# Altium PCB Hex-6487-3252.PcbDoc (continued)
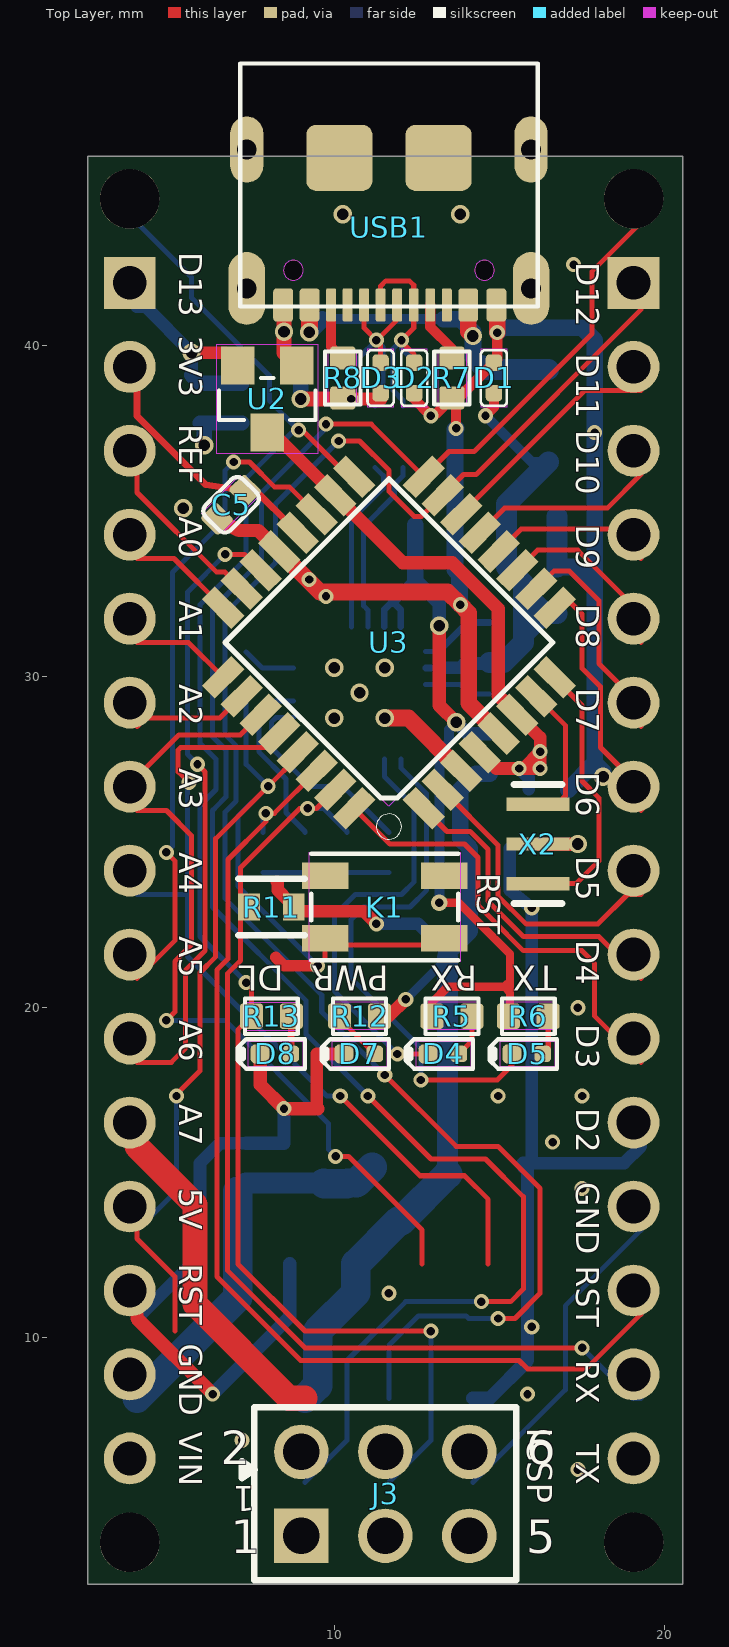
[diagram p0: Top Layer view]
## Footprints (in the part's own frame and the unit in brackets; to place one, negate y for a bottom-side part, rotate by r counter-clockwise, add the part's x,y. Pads: shape width x height; smd on the part's side, far side on the other; paste and mask are expansions set on the pad) (continued)
TP-D45MIL [mil] "TP-D45MIL"
  rrect100% 45x45 smd paste-22.5: T(0,0)
TQFP32-0.8-7X7MM [mil] "TQFP32-0.8-7X7MM"
  rect 50x22 smd: 1(-169,110.24) 2(-169,78.74) 3(-169,47.24) 4(-169,15.75) 5(-169,-15.75) 6(-169,-47.24) 7(-169,-78.74) 8(-169,-110.24) 17(169,-110.24) 18(169,-78.74) 19(169,-47.24) 20(169,-15.75) 21(169,15.75) 22(169,47.24) 23(169,78.74) 24(169,110.24)
  rect 22x50 smd: 9(-110.24,-169) 10(-78.74,-169) 11(-47.24,-169) 12(-15.75,-169) 13(15.75,-169) 14(47.24,-169) 15(78.74,-169) 16(110.24,-169) 25(110.24,169) 26(78.74,169) 27(47.24,169) 28(15.75,169) 29(-15.75,169) 30(-47.24,169) 31(-78.74,169) 32(-110.24,169)
  Top Layer keep-out region: -137.99,-137.99 -137.99,137.99 137.99,137.99 137.99,-137.99
  silkscreen extent -170,-138 138,170
USB2.0-TYPE-C [mm] "USB2.0-TYPE-C"
  rrect30% 1x0.6 smd: A1_B12(-0.05,3.25) A4_B9(-0.05,2.4) B1_A12(-0.05,-3.2) B4_A9(-0.05,-2.4)
  rrect30% 1x0.3 smd: A5(-0.05,1.25) A6(-0.05,0.25) A7(-0.05,-0.25) A8(-0.05,-1.25) B5(-0.05,-1.75) B6(-0.05,-0.75) B7(-0.05,0.75) B8(-0.05,1.75)
  oval 2x1 / inner round 1.524 / far side oval 2x1 hole 0.6: S1(-4.75,4.3) S2(-4.75,-4.3)
  oval 2.2x1.1 / inner round 1.524 / far side oval 2.2x1.1 hole 0.6: S3(-0.55,4.3) S4(-0.55,-4.3)
  rrect30% 2x2 smd: S5(-4.5,1.5) S6(-4.5,-1.5)
  silkscreen extent -7.35,-4.5 0,4.5

## Part data
C1 C2: library part CAP-0603, "Ceramic Capacitors", DeviceName=-0603, DeviceSetName=CAP, GateName_1=C, LibraryName=Discrete-new, SymbolName_1=C
C3 C4 C5 C6 C7 C8 C9 C10 C11 C12 C13: library part C*-0603, "Ceramic Capacitors", DeviceName=-0603, DeviceSetName=C*, GateName_1=C, LibraryName=Discrete-small, SymbolName_1=C
D1 D2 D3: library part D-ESD-2P-DOUBLE-0402, DeviceName=-0402, DeviceSetName=D-ESD-2P-DOUBLE, GateName_1=G$1, LibraryName=Discrete-new, SymbolName_1=D-ESD-2P-DOUBLE
D4 D5 D7 D8: library part LED-0402, DeviceName=-0402, DeviceSetName=LED, GateName_1=LED, LibraryName=Discrete-new, SymbolName_1=LED
D6: library part D*'MBR0520LT1', DeviceName='MBR0520LT1', DeviceSetName=D*, GateName_1=D, LibraryName=Discrete-smallsmall, SymbolName_1=DIODE
F1: library part FUSE'1206', DeviceName='1206', DeviceSetName=FUSE, GateName_1=F, LibraryName=Discrete-new, SymbolName_1=FUSE
J1 J2: library part CMP-02766-000090-1, "CONN HEADER VERT 15POS 2.54MM", Manufacturer=SAMTEC, Temperature="-55°C to +125°C", Temperature Range High=+125°C, Temperature Range Low=-55°C, Automotive=No, Category=Conn, ComponentLink2Description=Datasheet, ComponentLink2URL=http://suddendocs.samtec.com/catalog_english/tsw_th.pdf, Conn Gender=Male, Conn Orientation=Vertical, Contact Material=Gold,Nickel, Device Class L1=Connectors, Device Class L2="Headers and Wire Housings", Device Class L3=unset, Digikey Description="CONN HEADER VERT 15POS 2.54MM", Footprint Url=http://suddendocs.samtec.com/prints/tsw-xxx-xx-x-x-xx-xxx-footprint.pdf, Height=8.71mm, Lead Free=Yes, Manufacturer Part Number=TSW-115-07-G-S, Number Of Contacts=15, Number Of Rows=1, Octopart=https://octopart.com/tsw-115-07-g-s-samtec-272210, Package=TSW-115-07-G-S, Pitch=2.54mm, RoHS=TRUE
J3: library part CMP-1502-01072-1, "THT Vertical Pin Header WR-PHD, Pitch 2.54 mm, Dual Row, 6 pins", Contact Resistance=20mOhm, Manufacturer="Wurth Elektronik", Operating Temperature=-40to105degC, Package Reference=61300621121, Rated Current=3A, Withstanding Voltage=500VAC, Working Voltage=250VAC, Datasheet URL=https://katalog.we-online.de/em/datasheet/6130xx21121.pdf, Gender=Male, Manufacturer URL=http://www.we-online.de, Mounting Technology=THT, Orientation=Vertical, Packaging=Bag, Part Number=61300621121, Pin Number=6, Pitch=2.54mm, Publisher=WurthElektronik, Row Number=Dual
K1: library part BUTTON-4P-4.5X3.2, DeviceName=-4.5X3.2, DeviceSetName=BUTTON-4P, GateName_1=G$1, LibraryName=Switch, SymbolName_1=BOTTON-4P
L1: library part INDUCTOR-COMMON-MODE-SRF2012-900YA, DeviceName=-SRF2012-900YA, DeviceSetName=INDUCTOR-COMMON-MODE, GateName_1=G$1, LibraryName=Discrete-new, SymbolName_1=INDUCTOR-COMMON-MODE
R1 R2 R3 R4 R5 R6 R7 R8 R12 R13: library part R*-0603, DeviceName=-0603, DeviceSetName=R*, GateName_1=R, LibraryName=Discrete-small, SymbolName_1=R
R9 R10: library part CMP-2000-01850-2, "RES 1K OHM 5% 1/8W 0603", Case Code (Imperial)=0603, Case Code (Metric)=1608, Max Operating Temperature=155°C, Min Operating Temperature=-55°C, Package Quantity=5000, Power Rating=100mW, Resistance=1kR, Resistance Tolerance=5%, Resistor Type="Thick Film", Temperature Coefficient=200ppm/°C, Voltage Rating=50V, Case/Package=0603, Construction=Rectangular, Depth=0.8mm, Height=0.45mm, Lead Free="Lead Free", Length=1.6mm, Military Standard=Not, Mount="Surface Mount", Number of Pins=2, Packaging="Tape and Reel", RoHS Compliant=Yes, Series=RK73B, Technology="THICK FILM", Termination=SMD/SMT, Tolerance=5%, Voltage Rating (DC)=50V, Width=0.8mm
R11: library part CMP-2000-04608-2, "RES SMD 10K OHM 0.5% 1/10W 0603", Manufacturer=Yageo, Package=RT0603, Power Rating=0.1W, Resistance=10KΩ, Temperature="-55°C to +155°C", Temperature Coefficient="50 ppm/°C", Temperature Range High=+155°C, Temperature Range Low=-55°C, Tolerance=0.005, Voltage Rating=75V, Automotive=No, Category=Res, ComponentLink2Description=Datasheet, ComponentLink2URL=http://www.yageo.com/documents/recent/PYu-RT_1-to-0.01_RoHS_L_9.pdf, Composition="Thin Film", Device Class L1="Passive Components", Device Class L2=Resistors, Device Class L3="Chip SMD Resistors", Digikey Description="RES SMD 10K OHM 0.5% 1/10W 0603", Footprint Url=http://www.yageo.com/exep/pages/download/literatures/PYu-R_Mount_10.pdf, Height=0.55mm, Ipc Land Pattern Name=RESC16080X45, Lead Free=Yes, Manufacturer Part Number=RT0603DRE0710KL, Mouser Description="Thin Film Resistors - SMD 10K ohm 0.5% 1/10W", Octopart=https://octopart.com/rt0603dre0710kl-yageo-1185844, RoHS=TRUE, Series=RT
TP1 TP2 TP3 TP4: library part TEST-POINT'4545', PARTNO=DNP, DeviceName='4545', DeviceSetName=TEST-POINT, GateName_1=TP, LibraryName=Discrete-new, SymbolName_1=TEST-POINT
U1: library part PMIC-CJ*1117S, "Low Drop Fixed And Adjustable Positive Voltage Regulators http://www.datasheetcatalog.org/datasheet/SGSThomsonMicroelectronics/mXuqtqv.pdf", DeviceName=S, DeviceSetName=PMIC-CJ*1117, GateName_1=G$1, LibraryName=IC-new, SymbolName_1=PMIC-CJ*1117
U2: library part PMIC-XC6206PMR, "LOW ESR Cap.Compatible Positive Voltage Regulators", DeviceName=MR, DeviceSetName=PMIC-XC6206P, GateName_1=G$1, LibraryName=IC-new, SymbolName_1=PMIC-XC6206P
U3: library part MCU-ATMEGA8/168/328'AU', DeviceName='AU', DeviceSetName=MCU-ATMEGA8/168/328, GateName_1=G$1, LibraryName=IC-new, SymbolName_1=MCU-ATMEGA8/168/328
U4: library part CONVERTER-CP2102N(QFN24), DeviceSetName=CONVERTER-CP2102N(QFN24), GateName_1=G$1, LibraryName=IC-new, SymbolName_1=CONVERTER-CP2102N(QFN24)
USB1: library part USB2.0-TYPE-C, DeviceSetName=USB2.0-TYPE-C, GateName_1=USB, LibraryName=Connector-new, SymbolName_1=USB2.0-TYPE-C
X2: library part CMP-06054-000001-1, "CERAMIC RES 16.0000MHZ 15PF SMD", Frequency=16MHz, Load Capacitance=15pF, Manufacturer=Murata, Package=0, Temperature="-40°C to +85°C", Temperature Range High=+85°C, Temperature Range Low=-40°C, Tolerance=0.5%, Automotive=No, Category=Crys, ComponentLink2Description=Datasheet, ComponentLink2URL=https://www.murata.com/en-sg/products/productdata/8801162231838/SPEC-CSTNE16M0V530000R0.pdf?1545967809000, Device Class L1="Passive Components", Device Class L2="Crystals / Oscillators", Device Class L3=Crystals, Digikey Description="CERAMIC RES 16.0000MHZ 15PF SMD", Esr=40Ω, Height=1mm, Lead Free=Yes, Manufacturer Part Number=CSTNE16M0V530000R0, Mouser Description="Ceramic Resonator 16MHz ±0.5% (Tol) ±0.3% (Stability) 15pF 40Ohm 3-Pin CSMD T/R", Octopart=https://octopart.com/cstne16m0v530000r0-murata-91406924, RoHS=TRUE, Series=CSTNE_V, Stability=0.3%

## Free pads (board coordinates)
  round 1.8 hole 1.8 unplated: 1(3.81,44.45) 2(3.81,3.81) 3(19.05,44.45) 4(19.05,3.81)
  round 0.6 hole 0.6 unplated: MH1(8.76,42.29) MH2(14.54,42.29)

## Via types
v1: diameter 0.457/0.457/0.457/0.457 (per signal layer), hole 0.254, Top Layer to Bottom Layer, tented both sides, 55 vias
v2: diameter 0.553/0.553/0.553/0.553 (per signal layer), hole 0.35, Top Layer to Bottom Layer, tented both sides, 18 vias
v3: diameter 0.508/0.457/0.457/0.508 (per signal layer), hole 0.254, Top Layer to Bottom Layer, tented both sides, 1 vias

## Nets (pads, with @x,y where several pads share a name; then routed paths per layer and width w, separated by ;. In a path a pad name is that pad's centre, name@x,y a point inside that pad or via, vN(x,y) a via of type N, cw(c..) or ccw(c..) an arc to the next point about the centre after c; other vN are vias at no path point)
GND: C1.2 C2.2 C3.2 C4.2 C5.1 C5.2 C7.2 C8.2 C9.2 C10.2 C11.2 C12.2 C13.2 D1.1 D2.1 D3.1 D7.- D8.- J1.12 J2.3 J2.14 J3.6 K1.1 K1.2 R7.1 R8.2 TP2.T U1.1 U2.1 U3.3 U3.5 U3.20 U3.21 USB1.A1_B12 USB1.B1_A12 USB1.S3 USB1.S4 X2.2 | length 101.6
  Top Layer w0.305: D2.1 12.412,38.396 v1@12.887,37.921 ; v1(12.92,37.888) v1@12.887,37.921 ; v1(13.682,37.507) 13.682,38.302 R7.1 ; v1(14.927,40.403) 14.927,39.596 13.76,38.429 R7.1 ; v1@12.887,37.921 13.047,37.921 R7.1
  Top Layer w0.381: 9.491,16.933 9.468,16.956 9.468,18.584 D7.-
  Top Layer w0.406: 4.03,10.71 4.03,10.583 v1(6.316,8.297) ; C5.2 7.115,34.418 7.697,34.418 U3.21 ; D8.- 7.753,17.655 v1(8.475,16.933) 9.491,16.933 ; v1(10.507,38.396) 11.396,38.396 D3.1 ; X2.2 v2(17.365,24.934)
  Top Layer w0.457: USB1.B1_A12 8.475,41.215 v2(8.475,40.428) 8.475,39.793 U2.1 ; v2(8.983,38.396) 10.22,38.396 R8.2
  Top Layer w0.508: U3.21 9.56,32.554 13.428,32.554 v1(13.809,32.173) 14.063,31.919 14.063,29.202 14.365,28.9 14.365,28.881 U3.5 ; v2(11.523,28.744) 12.239,28.744 U3.3 ; USB1.A1_B12 14.927,41.213 v1(14.927,40.403)
  Bottom Layer w0.381: 4.03,10.71 4.157,10.71 5.935,12.488 5.935,15.282 6.537,15.884 C10.2 ; C11.2 C13.2 v1(15.968,23.003) 15.968,15.409 U1.1@15.841,15.282 ; 19.27,15.79 18.762,15.282 U1.1@15.841,15.282 ; U1.1@15.841,15.282 15.777,15.219 15.714,15.155 U1.1 U1.1@15.841,15.282
  Bottom Layer w0.406: v1(6.316,8.297) 8.65,10.631 8.65,12.234 ; C10.2 8.475,15.884 v1(8.475,16.933) ; 14.19,8.17 14.698,8.17 15.841,9.313 15.841,15.155 15.777,15.219 U1.1
  Bottom Layer w0.457: v2(6.062,36.999) 6.062,37.54 C4.2 C7.2 ; v2(8.983,38.396) TP2.T
  Bottom Layer w0.508: v1(13.682,37.507) 13.649,37.474 13.649,33.228 13.784,33.093 13.784,32.198 v1(13.809,32.173) ; v1(14.927,40.403) 15.072,40.548 17.499,40.548 17.873,40.174 v1(17.873,37.38) 17.873,32.681 ; C2.2 17.238,33.316 17.873,32.681 ; C9.2 17.873,27.38 ; v2(18.127,26.966) 18.127,27.126 17.873,27.38 ; 17.873,27.38 17.873,32.681
  Bottom Layer w0.635: C2.2 C1.2
  other v1: 17.365,6.011 7.205,6.9 15.841,8.297 15.968,10.329 11.65,11.345 17.492,14.52 16.603,15.917 14.952,17.314 17.492,17.314 17.365,19.981 9.745,32.427 9.237,32.935 17.238,42.46
  other v2: 9.999,28.744 10.761,29.506 9.999,30.268 11.523,30.268 5.427,35.094 10.253,43.984 13.809,43.984
Net5: C3.1 R1.1 R5.2 R6.2 U4.5 U4.6 | length 24.8
  Top Layer w0.152: R6.2 R6.2@15.31,19.773 ; 15.31,20.362 15.31,20.384 15.079,20.616 15.206,20.743 15.31,20.743
  Top Layer w0.254: R5.2 12.953,20.141 13.428,20.616 15.079,20.616 15.31,20.616 ; v3(13.174,23.156) 13.764,23.156 15.31,21.609 15.31,20.743 15.31,20.616 ; R6.2@15.31,19.773 15.31,20.362 ; 15.31,20.384 15.31,20.616
  Top Layer w0.406: v2(13.174,31.538) 13.174,29.125 v2(13.682,28.617)
  Bottom Layer w0.203: U4.5 11.511,32.034 11.768,32.291 11.777,32.3 ; 11.768,32.258 12.011,32.014 U4.6
  Bottom Layer w0.305: 11.768,32.291 11.768,32.258 12.208,32.698 ; 12.445,32.935 12.208,32.698 ; 12.683,32.698 12.208,32.698 ; v3(13.174,23.156) 13.174,27.723 13.466,28.015 13.466,28.401 v2(13.682,28.617)
  Bottom Layer w0.406: 12.445,32.935 12.683,32.698 13.174,32.206 v2(13.174,31.538) ; v2(13.682,28.617) 14.03,28.269 R1.1
  Bottom Layer w0.508: 12.445,32.935 C3.1
NetC1_1: C1.1 C2.1 D1.2 D6.1 F1.2 R2.1 U4.8 | length 14.9
  Top Layer w0.305: v1(14.571,37.888) 14.825,38.142 D1.2
  Bottom Layer w0.203: U4.8 13.416,30.256 13.428,30.268
  Bottom Layer w0.305: v1(14.571,37.888) 15.968,36.491 F1.2
  Bottom Layer w0.381: 13.428,30.268 13.809,30.268 13.936,30.395 14.665,30.395 R2.1
  Bottom Layer w0.635: R2.1 15.112,30.428 15.714,31.03 15.714,31.284 ; F1.2 15.206,35.221 C1.1 C2.1 15.714,32.808 15.714,32.554 ; D6.1 D6.1@16.365,31.903 ; 15.714,31.284 15.714,32.554 ; 15.714,31.284 16.333,31.903 D6.1@16.365,31.903 ; 15.714,32.554 D6.1@16.365,31.903
NetC4_1: C4.1 C7.1 J2.1 U2.2 | length 6.1
  Top Layer w0.381: v2(5.681,39.793) 6.697,39.793 U2.2
  Bottom Layer w0.381: J2.1@4.03,41.19 4.284,41.19 v2(5.681,39.793) C4.1@5.681,39.125
  Bottom Layer w0.457: C4.1@5.681,39.125 C4.1 C7.1
NetC6_1: C6.1 J1.13 J2.13 J3.5 K1.3 K1.4 R11.2 U3.29 | length 45.7
  Top Layer w0.152: 4.03,13.25 4.03,12.996 5.173,11.853 5.173,10.202 ; v1(5.224,17.314) 5.224,17.365 5.935,18.076 5.935,21.047 6.408,21.52 6.408,25.096 v1(7.996,26.683) 8.897,27.585 U3.29 ; v1(9.491,21.251) 9.723,21.483 K1.3 9.926,21.886 13.12,21.886 K1.4
  Top Layer w0.35: 8.221,21.505 8.475,21.251 v1(9.491,21.251)
  Bottom Layer w0.152: 4.03,13.25 5.224,14.444 v1(5.224,17.314) ; C6.1 7.332,27.347 v1(7.996,26.683) 7.078,25.765 7.078,23.664 v1(9.491,21.251) ; 14.19,5.63 16.984,8.424 16.984,10.964 19.27,13.25
NetC6_2: C6.2 U4.23 | length 1.6
  Bottom Layer w0.152: C6.2 7.819,30.256 U4.23
NetC8_1: C8.1 C9.1 C11.1 C13.1 D6.2 J2.12 J3.2 R11.1 R12.1 U2.3 U3.4 U3.6 U3.18 | length 58.8
  Top Layer w0.381: U2.3 8.129,37.38 U3.18 ; 8.259,23.796 8.287,23.768 8.287,23.54 8.632,23.196 8.632,23.093 8.823,22.902 10.888,22.902 v1(11.269,22.521) ; R12.1 11.65,19.727 v1(12.158,20.235) ; U3.4 14.894,27.22 v1(15.587,27.22) v1@15.714,27.22 ; U3.6 16.222,28.155 v1(16.222,27.728) ; v1@15.714,27.22 v1(16.222,27.728) ; v1@15.714,27.22 v1(16.222,27.22) v1(16.222,27.728)
  Top Layer w0.406: U3.18 12.068,33.44 13.563,33.44 14.952,32.051 14.952,29.425 U3.6
  Top Layer w0.762: 4.03,15.79 5.783,14.037 5.783,11.016 8.629,8.17 9.11,8.17
  Bottom Layer w0.152: 13.428,14.946 13.428,15.282
  Bottom Layer w0.254: v1(12.158,20.235) 13.428,21.505 13.428,21.632
  Bottom Layer w0.381: v1(11.269,22.521) 12.539,22.521 13.428,21.632 ; v1(15.587,27.22) 15.874,26.933 C9.1
  Bottom Layer w0.508: 13.428,21.632 14.096,22.3 C13.1 C11.1 13.809,25.094 13.809,26.585 14.284,27.06 C8.1
  Bottom Layer w0.635: 13.428,15.282 13.428,21.505
  Bottom Layer w0.889: 9.11,8.17 9.491,8.551 9.491,10.202 10.65,11.361 10.65,12.234 11.958,13.542 12.024,13.542 13.428,14.946
NetC10_1: C10.1 C12.1 J2.15 U1.3 | length 12.8
  Bottom Layer w0.635: C10.1@7.078,14.426 C10.1 C12.1 9.676,14.68 10.401,14.68 U1.3@10.667,14.68 ; U1.3@11.142,15.155 U1.3
  Bottom Layer w0.889: 4.03,8.17 7.078,11.218 C10.1@7.078,14.426 ; 9.676,14.68 9.696,14.66 10.38,14.66 10.401,14.68 ; U1.3@10.667,14.68 U1.3@11.142,15.155
NetD2_2: D2.2 L1.2 TP3.T USB1.A7 USB1.B7 | length 7.5
  Top Layer w0.152: USB1.A7 11.394,41.246 11.394,41.808 11.555,41.969 12.268,41.969 12.4,41.837 USB1.B7 12.4,40.543 v1(12.031,40.174) 12.031,40.129 12.412,39.748 D2.2
  Bottom Layer w0.152: L1.2 12.075,38.352 11.777,38.65 11.777,39.92 v1(12.031,40.174) 12.031,39.92 TP3.T
NetD3_2: D3.2 L1.3 TP4.T USB1.A6 USB1.B6 | length 6.4
  Top Layer w0.152: USB1.B6 10.9,40.543 v1(11.269,40.174) ; D3.2 11.396,40.047 v1(11.269,40.174) ; USB1.A6 11.9,40.793 11.281,40.174 v1(11.269,40.174)
  Bottom Layer w0.152: TP4.T 10.761,39.666 v1(11.269,40.174) 11.472,39.971 11.472,38.65 11.225,38.403 L1.3
NetD4_+: D4.+ R5.1 | length 1.3
  Top Layer w0.152: D4.+ 14.157,18.977 R5.1
NetD4_-: D4.- U4.14 | length 12.8
  Top Layer w0.152: v1(11.904,18.584) D4.-
  Bottom Layer w0.152: U4.14 11.511,26.978 12.412,26.077 12.412,23.791 12.031,23.41 10.634,23.41 9.999,22.775 9.999,20.489 v1(11.904,18.584)
NetD5_+: D5.+ R6.1 | length 1.2
  Top Layer w0.152: D5.+ 16.468,18.749 R6.1
NetD5_-: D5.- U4.13 | length 16
  Top Layer w0.152: v1(12.615,17.797) 14.927,17.797 15.373,18.243 D5.-
  Bottom Layer w0.152: U4.13 12.011,27.24 12.793,26.458 12.793,23.537 12.285,23.029 10.888,23.029 10.507,22.648 10.507,20.87 12.615,18.762 v1(12.615,17.797)
NetD7_+: D7.+ R12.2 | length 1.6
  Top Layer w0.152: R12.2 10.159,19.649 D7.+
NetD8_+: D8.+ R13.2 | length 1.1
  Top Layer w0.203: D8.+ D8.+ R13.2
NetF1_1: F1.1 TP1.T USB1.A4_B9 USB1.B4_A9 | length 10.3
  Top Layer w0.305: v2(9.237,40.413) v2@9.25,40.425
  Top Layer w0.508: v2@9.25,40.425 USB1.B4_A9 ; USB1.A4_B9 14.05,40.441 v2(14.19,40.301)
  Bottom Layer w0.305: 9.633,40.809 13.301,40.809
  Bottom Layer w0.508: v2(9.237,40.413) 9.633,40.809 ; 13.301,40.809 13.809,40.809 14.19,40.428 v2(14.19,40.301) 14.19,40.047 14.19,39.666 TP1.T
  Bottom Layer w0.635: TP1.T 14.571,39.285 F1.1
NetJ1_3: J1.3 U3.14 | length 7
  Top Layer w0.152: U3.14 17.573,38.65 19.27,38.65
NetJ1_4: J1.4 U3.13 | length 5.6
  Top Layer w0.152: U3.13 15.148,35.094 18.254,35.094 19.27,36.11
NetJ1_5: J1.5 U3.12 | length 5
  Top Layer w0.152: U3.12 15.645,34.459 18.381,34.459 19.27,33.57
NetJ1_6: J1.6 U3.11 | length 5.7
  Top Layer w0.152: U3.11@15.534,33.217 16.141,33.824 17.365,33.824 19.27,31.919 19.27,31.03
NetJ1_7: J1.7 U3.10 | length 6.8
  Top Layer w0.152: U3.10 16.638,33.189 17.111,33.189 18,32.3 18,30.395 19.27,29.125 19.27,28.49
NetJ1_8: J1.8 U3.9 | length 7.7
  Top Layer w0.152: U3.9 16.792,32.212 17.173,32.212 17.492,31.894 17.492,30.247 18.049,29.691 18.049,27.855 19.319,26.585 19.319,25.999 19.27,25.95
NetJ1_9: J1.9 U3.2 | length 9
  Top Layer w0.152: U3.2 14.952,24.899 14.952,23.359 15.79,22.521 17.976,22.521 18.865,23.41 19.27,23.41
NetJ1_10: J1.10 U3.1 | length 9.6
  Top Layer w0.152: U3.1 13.405,25.315 14.105,25.315 14.647,24.773 14.647,23.207 15.714,22.14 18,22.14 19.27,20.87
NetJ1_11: J1.11 U3.32 | length 13.6
  Top Layer w0.152: U3.32 11.675,24.934 13.936,24.934 14.342,24.528 14.342,23.081 14.736,22.686 15.715,21.708 17.492,21.708 17.873,21.327 17.873,19.727 19.27,18.33
NetJ1_14: J1.14 R9.1 U3.30 | length 32
  Top Layer w0.152: U3.30 8.181,25.863 v1(7.927,25.863) 7.927,25.609 6.784,24.466 6.784,21.465 6.443,21.124 6.443,11.853 8.983,9.313 15.587,9.313 15.841,9.059 17.619,9.059 19.27,10.71
  Bottom Layer w0.152: 7.84,25.282 7.84,25.777 v1(7.927,25.863)
NetJ1_15: J1.15 R10.1 U3.31 | length 31.8
  Top Layer w0.152: U3.31 9.46,26.011 v1(9.191,26.011) 8.952,26.011 7.159,24.218 7.159,21.408 6.773,21.022 6.773,12.031 9.11,9.694 v1(17.492,9.694)
  Bottom Layer w0.152: v1(9.191,26.011) 9.684,26.011 10.38,25.315 10.38,25.282 ; v1(17.492,9.694) 19.016,8.17 19.27,8.17
NetJ2_2: J2.2 J3.3 R13.1 U3.17 | length 50.1
  Top Layer w0.152: v1(7.332,20.743) 7.492,20.583 R13.1 7.078,19.313 7.078,12.234 9.11,10.202 v1(12.92,10.202) ; v1(8.919,37.455) 9.026,37.455 10.126,36.355 10.285,36.355 U3.17
  Bottom Layer w0.152: 4.03,43.73 5.681,42.079 5.681,41.455 8.03,39.106 8.03,38.344 v1@8.856,37.518 ; v1(7.332,20.743) 5.935,22.14 5.935,26.102 6.418,26.585 6.418,27.499 5.935,27.982 5.935,32.173 7.332,33.57 7.332,35.994 v1@8.856,37.518 ; v1(8.919,37.455) v1@8.856,37.518 ; 11.65,5.63 12.92,6.9 v1(12.92,10.202)
NetJ2_4: J2.4 U3.23 | length 4.9
  Top Layer w0.152: 4.03,36.11 4.03,35.567 6.438,33.159 6.692,33.159 U3.23
NetJ2_5: J2.5 U3.24 | length 3.2
  Top Layer w0.152: 4.03,33.57 5.15,33.57 U3.24
NetJ2_6: J2.6 U3.25 | length 3
  Top Layer w0.152: 4.03,31.03 5.579,31.03 U3.25
NetJ2_7: J2.7 U3.26 | length 3.6
  Top Layer w0.152: 4.03,28.49 4.284,28.744 6.535,28.744 U3.26
NetJ2_8: J2.8 U3.27 | length 25.2
  Top Layer w0.152: v1(4.919,19.6) 5.173,19.854 5.173,21.378 5.681,21.886 5.681,25.188 4.919,25.95 4.03,25.95 4.03,26.966 5.3,28.236 7.159,28.236 U3.27 ; v1(10.038,15.485) 10.431,15.485 12.65,13.266 12.65,12.234
  Bottom Layer w0.152: v1(4.919,19.6) 6.697,19.6 9.821,16.476 9.821,15.702 v1(10.038,15.485)
NetJ2_9: J2.9 U3.28 | length 25.3
  Top Layer w0.152: v1(5.599,26.794) 5.275,27.118 5.275,27.78 5.35,27.855 7.909,27.855 U3.28 ; v1(10.177,17.314) 12.59,14.901 13.936,14.901 14.65,14.187 14.65,12.234
  Bottom Layer w0.152: 4.03,23.41 5.554,23.41 ; v1(5.599,26.794) 5.554,26.794 5.554,23.41 ; v1(10.177,17.314) 9.77,17.314 5.554,21.53 5.554,23.41
NetJ2_10: J2.10 U3.19 | length 20.2
  Top Layer w0.152: 4.03,20.87 5.173,22.013 5.173,24.426 v1(4.919,24.68) ; v1(6.951,36.491) 7.431,36.491 8.193,35.729 8.648,35.729 U3.19
  Bottom Layer w0.152: v1(4.919,24.68) 5.097,24.858 5.097,33.146 6.697,34.746 6.697,36.237 v1(6.951,36.491)
NetJ2_11: J2.11 U3.22 | length 18.8
  Top Layer w0.152: 4.03,18.33 5.069,18.33 5.503,18.764 5.503,21.124 6.087,21.708 6.087,27.118 v1(5.859,27.347) ; v1(6.697,33.697) 7.286,33.697 U3.22@7.766,33.217
  Bottom Layer w0.152: v1(5.859,27.347) 5.554,27.652 5.554,32.554 v1(6.697,33.697)
NetJ3_1: J3.1 U3.16
NetJ3_4: J3.4 U3.15
NetR1_2: R1.2 U4.9 | length 2.1
  Bottom Layer w0.152: U4.9 13.813,29.756 14.096,29.473 R1.2
NetR2_2: R2.2 U4.7 | length 2.3
  Bottom Layer w0.152: U4.7 U4.7@13.154,30.756
  Bottom Layer w0.203: U4.7@13.154,30.756 14.03,31.632 R2.2
NetR3_1: R3.1 U4.21 | length 5.4
  Bottom Layer w0.152: U4.21 8.098,29.256 7.713,28.871 7.713,27.728 8.538,26.903 8.538,25.887 9.11,25.315 R3.1
NetR3_2: R3.2 R9.2 | length 1.3
  Bottom Layer w0.152: 7.84,24.078 R3.2
NetR4_1: R4.1 U4.20 | length 6.1
  Bottom Layer w0.152: U4.20 8.233,28.756 8.094,28.617 8.094,27.855 9.27,26.679 10.253,26.679 R4.1
NetR4_2: R4.2 R10.2 | length 1.3
  Bottom Layer w0.152: 10.38,24.078 R4.2
NetR7_2: R7.2 USB1.A5 | length 1.9
  Top Layer w0.305: USB1.A5 12.9,40.575 13.555,39.92 R7.2
NetR8_1: R8.1 USB1.B5 | length 1.8
  Top Layer w0.305: USB1.B5 9.9,39.986 R8.1
NetU3_7: U3.7 X2.3 | length 4.3
  Top Layer w0.152: U3.7 16.984,28.525 16.984,26.388 16.73,26.134 X2.3
NetU3_8: U3.8 X2.1 | length 8.2
  Top Layer w0.152: X2.1 17.308,23.734 18,24.426 18,26.331 17.492,26.839 17.492,29.125 16.665,29.952 U3.8
USB_D: L1.1 U4.4 | length 5.4
  Bottom Layer w0.152: U4.4 11.011,32.014 10.884,32.141 10.884,34.541 11.821,35.478 11.821,35.82 12.075,36.074 L1.1
USB_D+: L1.4 U4.3 | length 5.3
  Bottom Layer w0.152: U4.3 10.511,34.725 11.479,35.693 11.479,36.074 L1.4
pads on no net: J1.1 J1.2 U1.2 U1.TER U4.1 U4.2 U4.10 U4.11 U4.12 U4.15 U4.16 U4.17 U4.18 U4.19 U4.22 U4.24 U4.PAD USB1.A8 USB1.B8 USB1.S1 USB1.S2 USB1.S5 USB1.S6
copper on no net: | length 117.1
  Top Layer w0.152: v1(9.745,37.634) 11.117,37.634 12.705,36.045 13.467,36.807 14.229,36.807 17.798,40.376 17.798,42.258 19.27,43.73 ; v1(10.126,37.126) 10.761,37.126 11.65,36.237 11.65,35.602 12.412,34.84 12.631,34.84 13.906,36.115 14.287,36.115 19.27,41.098 19.27,41.19 ; v1(11.015,17.314) 12.92,15.409 14.571,15.409 15.714,14.266 15.714,11.472 15.333,11.091 v1(14.444,11.091) ; v1(11.523,17.949) 13.682,15.79 14.952,15.79 16.222,14.52 16.222,11.345 15.46,10.583 v1(14.952,10.583)
  Top Layer w0.203: 4.03,38.65 4.03,37.88 6.113,35.798 7.301,35.621 7.448,35.798 8.897,34.348
  Bottom Layer w0.152: 9.11,5.63 10.38,6.9 10.38,9.313 12.158,11.091 v1(14.444,11.091) ; v1(9.745,37.634) 9.745,37.507 7.789,35.551 7.789,33.519 6.316,32.046 6.316,28.186 6.722,27.78 6.722,26.36 6.392,26.03 6.392,26.026 6.316,25.95 6.316,23.029 9.148,20.197 9.148,19.181 v1(11.015,17.314) ; v1(10.126,37.126) 8.221,35.221 8.221,33.443 6.697,31.919 6.697,28.236 7.027,27.906 7.027,26.234 6.697,25.904 6.697,23.283 9.618,20.362 9.618,19.854 v1(11.523,17.949) ; 11.65,8.17 11.65,9.77 12.539,10.659 13.987,10.659 14.063,10.583 v1(14.952,10.583)

## Polygon pours and split planes (outlines as drawn)
NetC8_1 on Bottom Layer "Polygon_1_Net_VCC" (solid, remove dead copper, pour order 0): 17.251,28.617 17.251,27.977 16.1,26.826 14.439,26.826 14.304,26.961 14.304,27.479 14.439,27.614 14.952,27.614 15.074,27.614 16.082,28.622 16.082,29.13 16.217,29.265 16.349,29.265 16.989,29.265 17.251,29.003

## Silkscreen, mask and mechanical layers (free items; w line width, h text height)
Top Overlay:
  lines w0.203: 7.332,6.011 7.332,6.138 ; 7.205,5.757 7.205,6.265 7.586,6.011 7.205,5.757
  text "D13" at 5.3,42.841 h0.69 r270
  text "D12" at 17.309,42.536 h0.69 r270
  text "3V3" at 5.3,40.301 h0.69 r270
  text "D11" at 17.309,39.765 h0.69 r270
  text "REF" at 5.3,37.634 h0.69 r270
  text "D10" at 17.309,37.456 h0.69 r270
  text "A0" at 5.3,34.84 h0.69 r270
  text "D9" at 17.309,34.594 h0.69 r270
  text "A1" at 5.3,32.3 h0.69 r270
  text "D8" at 17.309,32.181 h0.69 r270
  text "A2" at 5.3,29.76 h0.69 r270
  text "D7" at 17.309,29.641 h0.69 r270
  text "A3" at 5.3,27.22 h0.69 r270
  text "D6" at 17.309,27.101 h0.69 r270
  text "A4" at 5.3,24.68 h0.69 r270
  text "D5" at 17.309,24.561 h0.69 r270
  text "RST" at 14.317,24.045 h0.69 r270
  text "A5" at 5.3,22.14 h0.69 r270
  text "D4" at 17.309,22.021 h0.69 r270
  text "DL" at 8.475,21.251 h0.76 r180
  text "PWR" at 11.65,21.251 h0.76 r180
  text "RX" at 14.317,21.251 h0.76 r180
  text "TX" at 16.73,21.251 h0.76 r180
  text "A6" at 5.3,19.6 h0.69 r270
  text "D3" at 17.309,19.481 h0.69 r270
  text "A7" at 5.3,17.06 h0.69 r270
  text "D2" at 17.309,16.941 h0.69 r270
  text "GND" at 17.309,14.711 h0.69 r270
  text "5V" at 5.3,14.52 h0.69 r270
  text "RST" at 5.3,12.234 h0.69 r270
  text "RST" at 17.309,12.171 h0.69 r270
  text "GND" at 5.3,9.821 h0.69 r270
  text "RX" at 17.309,9.321 h0.69 r270
  text "ICSP" at 15.841,7.281 h0.76 r270
  text "VIN" at 5.3,7.154 h0.69 r270
  text "TX" at 17.309,6.781 h0.69 r270
  text "1" at 7.586,5.503 h0.76 r180
Bottom Overlay:
  text "Seeeduino Nano v1.0" at 5.808,20.87 h0.76 r270

## Text inside footprints (layer, text, board x,y; h text height)
J3: Top Overlay "6" at 15.81,6.177 h1.02; Top Overlay "5" at 15.81,3.477 h1.02; Top Overlay "2" at 6.57,6.177 h1.02; Top Overlay "1" at 6.87,3.477 h1.02
U4: tDocu "Y" at 10.161,28.506 h0.22 r180; tDocu "X" at 11.861,29.106 h0.22 r180; tDocu "Z" at 10.661,30.106 h0.22 r180
USB1: Milling "Slot Drills with copper" at 11.446,44.063 h0.35